# KiCad board glasgow_revD0.kicad_pcb (continued)
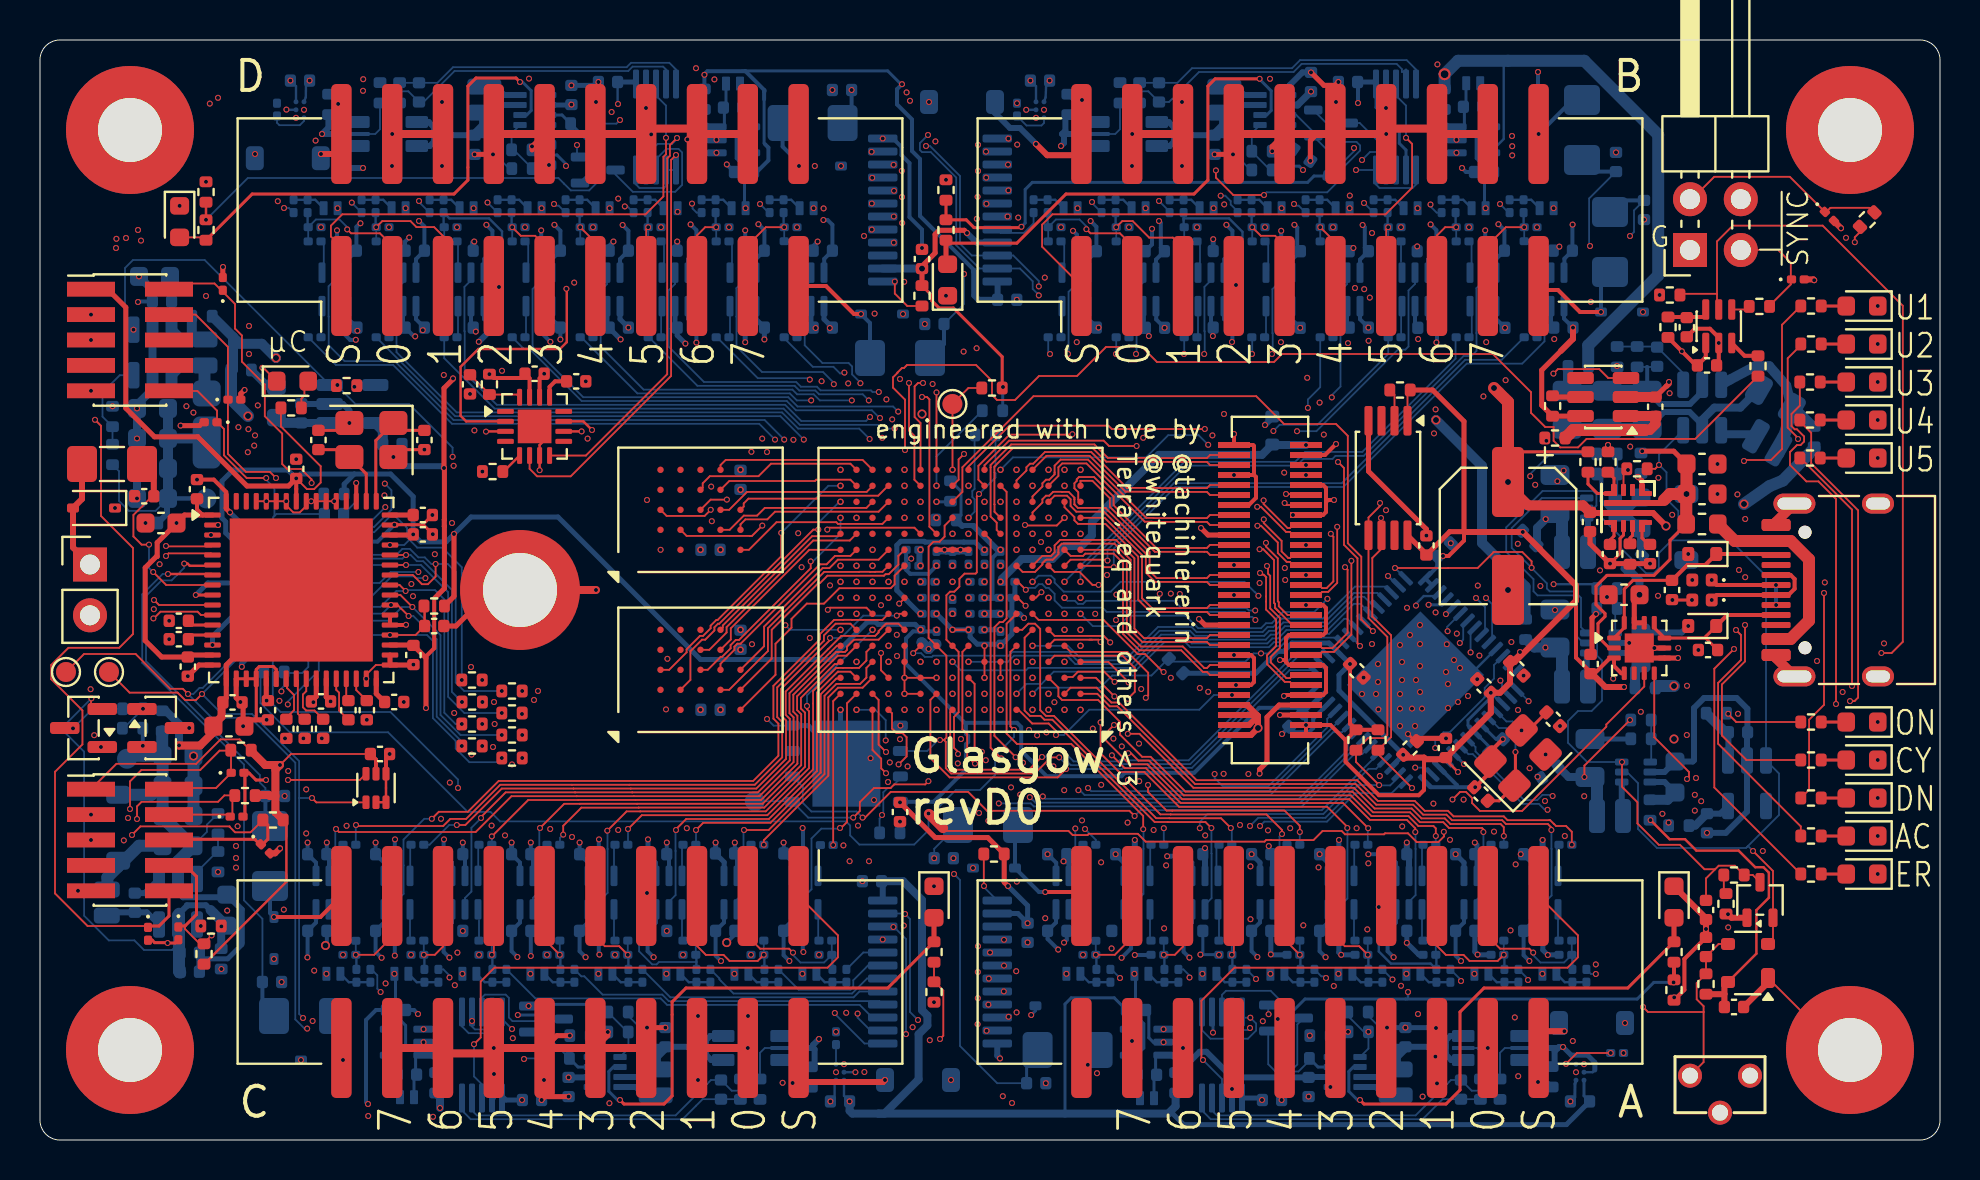
[diagram p0: board, top side]
## Routing (per net, layer and track width the routed paths; a pad name or vN(x,y) marks a point on that pad's centre or on a via; arc(x,y) is an arc through that point) (continued)
  Bottom w0.25: C128.2 61.54,10.45 v1(61.54,9.28) 61.56,9.26 D53.2 ; v1(32.27,39.82) 31.86,40.23 C205.1 31.75,40.73 U66.2 ; v1(27.92,52.9) 27.75,52.73 v1(26.57,52.73) ; C137.1 54.85,14.18 54.85,13.51 ; v1(9.5,31.38) 10.91,29.97 C27.1 11.07,29.49 U6.4 ; C138.2 v1(68.34,9.86) 68.94,9.26 D57.2 ; C132.2 71.74,9.41 v1(71.88,9.27) 71.89,9.26 72.61,9.26 ; 51.85,40.61 C150.1 51.75,40.73 U38.2 ; v1(40.03,21.51) 40.03,19.11 U9.9 38.42,20.72 U9.4 ; D52.2 v1(65.06,9.26) 64.94,9.38 C145.2 ; C143.1 64.94,14.99 v1(64.95,15) ; C219.1 38.55,40.73 U72.2 ; C62.2 C67.2 48.75,27.26 C78.2 ; C62.2 48.59,25.3 48.09,24.79 48.09,24.78 v1(48.03,24.71) 47.94,24.79 46.86,24.79 46.5,25.14 C117.2 v1(45.62,25.51) v1(44.82,26.31) ; C62.2 48.99,26.31 v1(49.2,26.1) ; C154.1 55.17,40.71 55.17,41.67 U41.2 ; U63.2 28.35,40.73 C201.1 28.46,40.6 v1(29.03,40.03) ; C127.2 75.14,9.5 v1(75.39,9.25) 75.4,9.26 D58.2 ; C97.2 79.53,20.05 ; U6.1 8.39,27.85 v1(7.79,27.25) ; 51.45,13.51 51.45,14.18 C144.1 ; 71.85,13.51 71.85,14.76 ; U6.28 8.62,25.18 v1(8.62,24.75) ; v1(69.8,5.6) 69.78,5.62 v1(68.27,5.62) v1(67.35,5.62) ; v1(10.09,23.66) 10.09,23.82 U6.24 U6.25 ; U68.2 35.15,40.73 C212.1 v1(35.26,39.89) ; C163.2 v1(58.66,45.04)
  Bottom w0.3: v1(48,4.08) 47.86,4.22 U24.12 ; 61.67,36.16 61.66,36.16 v1(61.25,35.75) ; C208.2 v1(31.86,44.92) ; C96.2 13.08,36.8 U19.2 15.15,36.8 15.47,36.47 v1(15.47,35.85) ; U40.5 62.48,52.74 63.12,53.38 v1(63.55,53.38) ; v1(21.71,44.92) 21.66,44.87 C213.2 ; U30.2 58.25,14.18 C130.1 ; v1(51.18,13.93) 51.45,13.93 ; v1(54.74,15) C137.1 ; U26.2 75.25,14.18 C125.1 75.13,14.3 v1(75.13,15) ; U27.2 61.65,14.18 C126.1 ; U17.2 85.35,16.42 84.29,15.36 v1(83.35,15.36) ; 85.37,20.3 85.37,21.56 84.83,22.1 83.2,22.1 82.7,21.6 82.7,18.99 82.64,18.93 C89.2 81.23,18.4 U18.2 ; 83.11,35.77 82.48,36.4 81.2,36.4 C93.2 ; v1(68.34,14.87) C136.1 68.45,14.18 U31.2 ; U13.2 79.52,31.6 C81.2 ; C143.1 65.05,14.18 U35.2 ; v1(82.41,25.7) 82.09,25.38 C82.2 79.53,24.85 v1(79.46,24.85) U14.2 ; 85.35,18.97 85.35,20.36
  Bottom w0.4: U15.2 83.11,36.01 83.72,36.62 85.02,36.62 85.94,37.54 ; 5.62,38.64 5.62,37.53 4.85,36.76 v1(4.85,36.58) v1(4.85,35.08) v1(4.85,32.08) ; U23.2 5.62,42 5.64,42.01 5.64,42.49 v1(4.95,43.18)
  Bottom w0.5: v1(44.43,24.55) 44.67,24.79 C65.2 ; v1(44.43,24.55) 44.41,24.55 C119.2 44.1,24.88 v1(44.43,24.55)
  Bottom w0.6: C110.1 v2(7.68,19.2) ; C108.1 4.95,14.71 4.2,13.96 D39.1 3.91,13.67 3.37,13.13 3.37,12.55 L6.2 ; C88.2 C93.2
  vias: v1(1.9,12.46) v1(2.53,22.54) v1(2.55,41.27) v1(2.55,40) v1(2.55,37.46) v1(2.55,16.27) v1(2.55,15) v1(2.71,20.24) v1(3.62,36.69) v1(3.75,31.6) v1(3.82,45.06) v1(4.19,14.98) v1(4.4,16.1) v1(5.05,44.97) v1(5.28,30.85) v1(5.69,26.54) v1(5.98,28.79) v1(6.46,25.96) v1(6.46,25.04) v1(6.98,46.71) v1(7.67,36.37) v1(8.3,47.91) v1(8.3,42.2) v1(8.49,51.82) v1(8.9,13.4) v1(9.36,11.47) v1(9.8,13.62) v1(9.92,35.64) v1(9.88,15.69) v1(10.45,40.7) v1(10.45,39.3) v1(10.75,49.3) v1(10.71,34.72) v1(10.89,36.73) v1(11.7,9.05) v1(11.89,46.94) v1(11.97,21.96) v1(12.08,7.9) v1(12.23,17.2) v1(12.19,11.52) v1(12.25,20.08) v1(12.41,18.45) v1(12.81,34.04) v1(13.05,4) v1(13.17,20.08) v1(13.31,17.53) v1(13.31,15.33) v1(13.63,5.95) v1(13.71,8.47) v1(13.78,49.97) v1(14.05,45.64) v1(14.09,20.08) v1(15.15,9.26) v1(15.33,15.71) v1(16.16,53.04) v1(16.31,23.06) v1(16.34,21.01) v1(16.41,1.2) v1(17.22,32.23) v1(17.28,7.83) v1(17.45,45.64) v1(17.6,48.7) v1(17.67,34.15) v1(18.19,21.9) v1(18.57,27.8) v1(18.55,9.26) v1(18.65,27.19) v1(18.67,23.77) v1(19.18,4.89) v1(19.74,29.29) v1(19.65,1.16) v1(20.1,51.9) v1(20.1,48.7) v1(20.05,16.06) v1(20.19,38.25) v1(20.49,17.87) v1(20.6,30.85) v1(20.68,33.71) v1(20.71,21.35) v1(20.74,7.74) v1(20.85,45.64) v1(20.87,9.37) v1(21.14,10.45) v1(21.5,37.3) v1(21.55,23.65) v1(21.58,19.27) v1(21.72,35.48) v1(21.95,9.26) v1(22.12,33.42) v1(22.58,15.72) v1(22.7,21.9) v1(22.73,20.8) v1(22.65,19.65) v1(23.1,38.46) v1(23.25,15.23) v1(23.6,18.78) v1(23.64,5.09) v1(24.25,45.64) v1(24.45,53.07) v1(24.6,49.68) v1(24.9,22.45) v1(25.2,3) v1(25.35,9.26) v1(25.45,48.75) v1(25.51,15.55) v1(26.6,15.15) v1(26.71,42.87) v1(27.29,37.93) v1(27.38,35.07) v1(27.65,45.64) v1(27.8,51.9) v1(28.47,1.84) v1(28.58,51.4) v1(28.75,9.26) v1(28.91,47.07) v1(28.91,15.5) v1(30.35,32) v1(31.03,29.51) v1(31.05,45.64) v1(31.3,21.53) v1(31.34,10.45) v1(31.37,24.06) v1(32.15,9.26) v1(32.34,15.59) v1(32.37,50.03) v1(32.8,53.59) v1(32.9,6.2) v1(32.9,3) v1(33.03,29.51) v1(33.03,21.51) v1(33.56,32.67) v1(33.59,30.94) v1(33.72,53.03) v1(33.82,50.01) v1(34.45,45.64) v1(35.03,33.51) v1(35.03,25.51) v1(35.4,6.2) v1(35.6,24.79) v1(35.55,9.26) v1(36.11,35.07) v1(37.13,2.86) v1(37.67,35.01) v1(37.85,45.64) v1(37.91,30.34) v1(38.08,28.64) v1(38.49,25.1) v1(38.74,48.7) v1(38.78,40.6) v1(38.95,9.26) v1(39.08,37.94) v1(39.18,46.58) v1(39.5,27.73) v1(39.62,52.5) v1(39.8,5.41) v1(40.03,33.51) v1(40.03,27.11) v1(40.05,48.7) v1(40.17,14.73) v1(40.31,6.36) v1(40.41,37.83) v1(40.48,13.94) v1(40.82,31.11) v1(40.82,23.91) v1(40.9,15.72) v1(41.12,12.94) v1(41.2,45.2) v1(41.22,3.4) v1(41.45,13.94) v1(41.53,19.09) v1(41.63,29.51) v1(41.73,41.32) v1(41.7,17) v1(42.11,35.11) v1(42.05,26.74) v1(42.14,10.03) v1(42.32,37.03) v1(42.4,17.9) v1(42.49,18.88) v1(42.61,36.03) v1(42.84,25.26) v1(42.85,24.2) v1(43,38.05) v1(43,20.04) v1(43.09,48.46) v1(43.1,47.15) v1(43.11,45.85) v1(43.21,42.91) v1(43.15,41.3) v1(43.22,33.51) v1(43.22,31.91) v1(43.22,31.11) v1(43.19,10.72) v1(43.33,52.38) v1(43.38,18.68) v1(43.63,5.64) v1(44.03,31.11) v1(44.03,21.51) v1(44.24,40.8) v1(44.45,51.9) v1(44.49,4.99) v1(44.63,37.8) v1(44.7,12.69) v1(44.7,6.89) v1(44.77,49.93) v1(44.82,27.91) v1(44.82,27.11) v1(44.82,21.51) v1(45.3,48.01) v1(45.3,42.21) v1(45.62,30.31) v1(45.62,28.71) v1(45.62,27.91) v1(45.62,27.11) v1(45.62,22.31) v1(45.55,3) v1(45.67,14.09) v1(45.89,18.83) v1(46.18,39.42) v1(46.43,32.71) v1(46.43,31.91) v1(46.43,28.71) v1(46.43,27.91) v1(46.43,27.11) v1(46.43,26.31) v1(46.43,22.31) v1(46.65,13.6) v1(46.84,46.06) v1(46.9,49.76) v1(46.9,48.45) v1(46.88,47.16) v1(46.95,16.35) v1(46.9,9.69) v1(46.89,8.4) v1(46.89,7.09) v1(46.88,5.79) v1(47.22,28.71) v1(47.22,22.31) v1(47.22,21.51) v1(47.29,18.99) v1(48.03,28.71) v1(48.03,22.31) v1(48.03,21.51) v1(48.14,2.19) v1(48.26,17.25) v1(48.85,51.84) v1(48.84,42.01) v1(48.82,33.51) v1(48.82,23.11) v1(48.84,12.92) v1(48.81,8.44) v1(48.83,6.38) v1(48.86,49.77) v1(48.91,46.12) v1(49.01,17.27) v1(49.15,18.86) v1(49.45,20.5) v1(49.38,9.88) v1(49.62,21.51) v1(50.05,29.9) v1(50.24,43.12) v1(50.32,20.38) v1(50.26,11.09) v1(50.29,2.84) v1(50.72,21.89) v1(50.67,18.68) v1(51.05,45.64) v1(51.22,23.91) v1(51.21,17.49) v1(51.84,39.89) v1(52.03,33.51) v1(52.03,27.11) v1(52.03,21.51) v1(52.1,15.98) v1(52.15,9.26) v1(52.64,20.57) v1(52.76,26.31) v1(52.85,3.34) v1(53.06,17.76) v1(53.06,13.88) v1(53.35,28.25) v1(53.58,9.58) v1(53.67,20.07) v1(54.09,19.68) v1(54.45,45.64) v1(54.38,15.87) v1(54.6,48.7) v1(54.6,4.95) v1(54.95,19.82) v1(54.96,17.94) v1(55.06,22.55) v1(55.16,35.11) v1(55.44,40.2) v1(55.68,15.5) v1(56.21,10.58) v1(56.31,13.73) v1(56.54,27.32) v1(56.54,23.11) v1(57.1,51.9) v1(57.1,48.7) v1(57.15,4.6) v1(57.85,45.64) v1(57.99,22.6) v1(58.26,15.23) v1(58.25,14.6) v1(58.64,40.2) v1(58.62,35.23) v1(59.21,46.78) v1(59.18,18.31) v1(59.6,2.55) v1(59.7,28.75) v1(59.7,27.25) v1(60,15.75) v1(60.42,18.3) v1(60.52,13.68) v1(60.52,11.04) v1(61.14,5.94) v1(61.25,45.64) v1(61.4,15.48) v1(61.44,14.7) v1(61.5,53.06) v1(61.61,49.44) v1(61.89,6.05) v1(62.05,39.89) v1(62.08,2) v1(62.21,33.37) v1(62.26,28) v1(62.51,15.59) v1(62.65,31.25) v1(63.16,10.73) v1(63.3,29.75) v1(63.3,28.25) v1(63.43,2.17) v1(63.49,5.22) v1(63.93,13.63) v1(63.98,36.87) v1(64.52,2.65) v1(64.65,45.64) v1(64.69,7.7) v1(64.8,51.9) v1(65.4,39.84) v1(65.4,5.41) v1(65.49,47.22) v1(65.83,15.59) v1(66.1,22.3) v1(66.18,23.12) v1(66.43,39.96) v1(66.42,13.83) v1(66.37,10.53) v1(66.49,42.12) v1(66.6,45.35) v1(66.6,24.8) v1(66.8,22.3) v1(66.9,23.8) v1(66.9,22.9) v1(66.92,21.53) v1(66.99,18.2) v1(67.3,31.49) v1(68,24.75) v1(68,22.3) v1(68,21.57) v1(68,20.7) v1(68.05,45.64) v1(68.1,23.9) v1(68.1,23) v1(68.11,15.68) v1(68.05,7.71) v1(68.35,26.61) v1(68.5,25.25) v1(68.6,21.57) v1(68.75,20.7) v1(68.8,23) v1(68.86,44.68) v1(68.91,40.05) v1(69,25.75) v1(69,24.8) v1(69,23.7) v1(69,22.4) v1(69.1,21.57) v1(69.13,2.17) v1(69.7,35.33) v1(69.67,16.82) v1(69.78,36.53) v1(69.78,26.38) v1(69.77,4.17) v1(69.85,2.83) v1(69.87,53.78) v1(70.34,24.79) v1(70.3,23.4) v1(70.4,22.8) v1(70.4,21.6) v1(70.54,29.84) v1(70.5,15.01) v1(70.7,24) v1(70.82,50.01) v1(70.84,25.32) v1(70.9,21.9) v1(71,23.6) v1(71.18,17.02) v1(71.45,45.64) v1(71.4,22.2) v1(71.74,14.87) v1(71.89,27.72) v1(71.86,23.04) v1(71.97,24.22) v1(72.17,37.18) v1(72.31,39.89) v1(72.39,4.6) v1(72.7,15.42) v1(73.28,37.99) v1(73.53,10.48) v1(73.61,49.69) v1(73.57,24.9) v1(73.74,6.13) v1(73.78,13.78) v1(73.89,29.81) v1(73.9,21.5) v1(73.91,3.19) v1(74.48,18.59) v1(74.85,45.64) v1(74.76,32.76) v1(75.02,27.7) v1(75.28,19.28) v1(75.25,16.95) v1(75.71,40.05) v1(75.87,32.94) v1(76,20.7) v1(76.18,33.47) v1(76.24,15.2) v1(76.64,4.95) v1(77.21,17.19) v1(77.54,41.91) v1(77.79,8.78) v1(78,28.48) v1(78.66,23.07) v1(78.8,49.38) v1(78.85,38.7) v1(79.18,4.35) v1(79.25,5.85) v1(79.51,34.67) v1(80.04,21.41) v1(80.2,46.02) v1(80.15,41.4) v1(80.92,33.11) v1(80.9,27.21) v1(80.98,42.25) v1(81.12,16.31) v1(81.48,37.34) v1(81.61,31.26) v1(81.91,24.6) v1(82.35,22.71) v1(82.34,20.25) v1(82.41,29.3) v1(82.62,28) v1(82.74,16.47) v1(82.8,18.1) v1(82.92,24.5) v1(83.88,33.8) v1(83.88,32.3) v1(84.41,10.63) v1(84.87,32.28) v1(84.9,21.31) v1(85.26,31.05) v1(85.26,28.14) v1(86.14,14.45) v1(88.85,23.95) v1(89.24,27.88) v1(90.13,22.4) v1(90.3,45.11) v1(91.89,41.7) v1(91.89,39.8) v1(91.89,37.9) v1(91.89,36) v1(91.89,34.1) v1(91.89,20.9) v1(91.89,19) v1(91.89,17.1) v1(91.89,15.2) v1(91.89,13.3) v1(92.2,24.83) v2(73.4,27.5)
VDDA: length 40.7
  Top w0.2: 22.49,38.31 22.7,38.1 24.04,38.1 C103.1 24.48,38.08 U21.15 ; 19.3,24.1 19.3,24.18 19.71,24.59 19.71,27.07 19.75,27.11
  Top w0.25: U7.21 11.31,21.99 ; v1(13.67,21.89) 13.67,22.03 13.81,22.17 U7.26 ; 19.75,27.11 20.22,27.58 20.22,30.69 20.22,30.69 20.22,31.01 20.22,31.01 20.22,33.58 v1(20.2,33.6) 20.2,37.59 20.65,38.04 v1(20.65,38.08) ; U7.35 18.65,24.75 ; v1(19.3,21.6) 19.3,24.1 C29.1
  In2.Cu w0.25: v1(11.33,21.97) 11.33,21.65 11.67,21.31 12.95,21.31 13.53,21.89 v1(13.67,21.89) 13.67,21.83 13.99,21.52 19.22,21.52 v1(19.3,21.6) ; v1(20.65,38.08) 20.87,38.3 22.46,38.3 v1(22.47,38.29)
  Bottom w0.3: C99.1 17.14,33.96 17.41,33.69 20.11,33.69 v1(20.2,33.6)
  Bottom w0.5: C99.1 17.14,35.47 U19.5
/A0: length 22.9
  Bottom w0.09: U2.37 66.03,26.81 65.69,26.81 64.38,25.5 62.32,25.5 61.9,25.08 61.62,25.08 61.37,24.83 57.59,24.83 57.34,25.08 56.13,25.08 54.66,23.61 49.42,23.61 49.3,23.49 46.05,23.49 v1(45.62,23.91)
/A1: length 22.6
  Bottom w0.09: U2.38 66.69,26.67 66.21,27.16 65.77,27.16 65.61,27 64.3,25.69 62.25,25.69 61.83,25.27 61.54,25.27 61.29,25.02 57.67,25.02 57.42,25.27 56.05,25.27 54.58,23.8 51.76,23.8 51.53,24.03 51.53,24.04 51.35,24.22 48.7,24.22 48.39,23.91 v1(46.43,23.91)
/ADC/A1_N: length 67.1
  Top w0.09: v1(8.55,30.25) U7.3
  In2.Cu w0.09: v1(45.7,13.3) 43.2,13.3 42.87,13.64 40.35,13.64 39.99,14 36.7,14 36.56,13.87 35.82,13.87 35.68,14 10.23,14 9.97,14.27 v1(9.8,14.1)
  In3.Cu w0.09: v1(8.55,30.25) 8.7,30.1 8.7,29.63 9.33,29 9.33,14.57 v1(9.8,14.1)
  Bottom w0.09: v1(45.7,13.3) 46,13 46,4.7 47.86,2.84 C52.1
  Bottom w0.15: C52.1 49.33,3.93
/ADC/A1_P: length 54.3
  Top w0.09: 8.58,30.8 8.85,30.8 v1(8.9,30.75)
  In2.Cu w0.09: 44.71,14.1 44.47,14.34 37.03,14.34 36.88,14.19 36.62,14.19 36.48,14.06 35.9,14.06 35.76,14.19 10.31,14.19 v1(9.8,14.7)
  In3.Cu w0.09: v1(8.9,30.75) 8.9,29.7 9.52,29.08 9.52,14.98 v1(9.8,14.7)
  Bottom w0.09: v1(44.71,14.09) 44.71,14.56 R30.1
/ADC/A1raw_N: length 3.4
  Bottom w0.15: R35.2 52.39,4.01 v1(52.39,3.76) ; D16.2 51.87,5.69 52.9,4.66
/ADC/A1raw_P: length 5.6
  Top w0.2: v1(50.26,12.4) 51.87,12.4
  Bottom w0.2: 48.75,15.6 D15.2 49.95,12.4 v1(50.26,12.4)
/ADC/A2_N: length 99.6
  Top w0.09: U7.5 8.54,29.33 6.43,29.33 v1(6.3,29.2)
  In2.Cu w0.09: v1(4.3,45.1) 5.01,44.39 40.72,44.39 41.01,44.1 46.07,44.1 46.07,44.11 76.91,44.11 v1(77.5,44.7)
  In3.Cu w0.09: v1(4.3,45.1) 4.3,44.34 3.99,44.03 4.1,43.92 4.1,30.24 4.28,30.06 4.28,29.72 4.8,29.2 v1(6.3,29.2)
  Bottom w0.09: v1(77.5,44.7) 77.46,44.75 77.46,47.08 C53.1
  Bottom w0.2: C53.1 77.68,48.42
/ADC/A2_P: length 99.2
  Top w0.09: v1(6.3,29.7) 6.32,29.68 8.56,29.68 U7.4
  In2.Cu w0.09: v1(79.5,45.2) 77.57,45.2 76.66,44.3 41.21,44.3 41.2,44.29 41.11,44.29 40.8,44.6 22.3,44.6 22.28,44.58 20.9,44.58 20.7,44.78 15.01,44.78 14.5,45.29 5.11,45.29 v1(4.9,45.5)
  In3.Cu w0.09: v1(4.9,45.5) 4.7,45.3 4.7,45 4.49,44.79 4.49,44.26 4.29,44.06 4.29,30.5 4.53,30.26 4.53,29.73 4.87,29.4 6,29.4 v1(6.3,29.7)
  Bottom w0.09: v1(79.5,45.2) 79.7,45.4 79.7,46.48 C48.1
  Bottom w0.2: C48.1 79.08,46.98
/ADC/A2raw_N: length 2.4
  Bottom w0.2: v1(74.93,50.3) 76.63,52
/ADC/A2raw_P: length 4.9
  Top w0.2: 75.13,42.5 75.9,42.5 77,41.4 v1(78.05,41.4)
  Bottom w0.2: v1(78.05,41.4) 78.05,42.95
/ADC/A3_N: length 26.9
  Top w0.12: U7.7 8.57,28.3 v1(6.4,28.3)
  Bottom w0.09: v1(6.4,28.3) 6.13,28.3 5.11,27.28 5.11,23.86 10.2,18.77 10.2,11.98 11.12,11.06 C54.1
  Bottom w0.2: C54.1 11.12,6.78
/ADC/A3_P: length 17.9
  Top w0.12: v1(7.21,28.82) 7.38,28.82 7.49,28.71 8.59,28.71 U7.6
  Bottom w0.09: 11.27,17.23 11.27,17.6 11,17.87 11,18.25 5.3,23.94 5.3,27.2 6.08,27.98 6.58,27.98 7.21,28.61 v1(7.21,28.82)
  Bottom w0.2: C49.1 11.27,15.93
/ADC/A3raw_N: length 2.4
  Bottom w0.2: v1(15.15,4) 15.15,4.15 14.7,4.6 R37.2
/ADC/A3raw_P: length 5.4
  Top w0.2: J9.19 14.02,11.15 v1(11.7,11.15)
  Bottom w0.2: R32.2 11.5,11.35 v1(11.7,11.15)
/ADC/A4_N: length 68.7
  Top w0.09: U7.11 8.04,26.25 7.88,26.42 6.03,26.42 5.69,26.08 v1(5.67,26.08)
  In2.Cu w0.09: v1(8.9,52.11) 13.06,52.11 13.06,52.11 15.73,52.11 16.41,51.42 28.02,51.42 29.07,52.47 34.42,52.47 34.9,52.95 40.13,52.95 v1(40.58,52.5)
  In3.Cu w0.09: v1(8.9,52.11) 8.9,47.31 7.59,46 4.2,46 3.1,44.9 3.1,33.87 3.33,33.64 3.33,33.38 3.2,33.25 3.2,30.6 3.9,29.9 3.9,28.1 5.33,26.67 5.33,26.42 v1(5.67,26.08)
  Bottom w0.2: v1(40.58,52.5) 40.58,51.3
/ADC/A4_P: length 70.2
  Top w0.09: U7.10 5.95,26.75 v1(5.7,27)
  In2.Cu w0.09: v1(46.2,43.3) 46.1,43.2 43.95,43.2 43.25,43.9 41.21,43.9 41.07,43.75 40.25,43.75 39.8,44.2 4.2,44.2 v1(3.8,44.6)
  In3.Cu w0.09: v1(3.8,44.6) 3.8,44.11 3.29,43.6 3.29,35.53 3.52,35.3 3.52,33.3 3.39,33.17 3.39,30.68 4.09,29.98 4.09,28.18 5.27,27 v1(5.7,27)
  Bottom w0.09: C50.1 46.2,41.8 v1(46.2,43.3)
  Bottom w0.2: R33.1 45.2,39.8 C50.1
/ADC/A4raw_N: length 2.5
  Bottom w0.2: v1(37.95,48.7) 37.95,48.85 37.13,49.67 R38.2
/ADC/A4raw_P: length 6.1
  Top w0.2: J10.19 39.3,42.7 40.7,41.3 v1(41.05,41.3)
  Bottom w0.2: v1(41.05,41.3) 41.5,40.85 R33.2
/ADC/ADC_~{RST}: length 17.4
  Top w0.09: C43.1 18.78,25.25 v1(17.5,25.25)
  Top w0.12: R29.2 19.23,26.67 C43.1
  Bottom w0.09: v1(23.09,19.1) 22.88,18.89 21.47,18.89 20.79,19.57 20.79,19.95 19.65,21.09 19.65,24.95 19.35,25.25 v1(17.5,25.25) 14.61,25.25 U6.19
/ADC/CAPN_ADC: length 1
  Top w0.09: U7.29 15.31,22.08
/ADC/CAPP_ADC: length 2.3
  Top w0.09: U7.28 14.81,22.51 14.96,22.36 14.96,21.47 C42.2
/ADC/CIPO: length 13.4
  Top w0.09: v1(18.3,29.25) U7.44
  Bottom w0.09: v1(21.1,21.9) 20.6,22.4 20.6,27.5 19.16,28.94 18.84,28.94 18.53,29.25 v1(18.3,29.25) 18.12,29.07 15.34,29.07 U6.12
/ADC/COPI: length 15.1
  Top w0.09: v1(18.3,28.75) U7.43
  Bottom w0.09: v1(23.09,21.35) 21.22,21.35 20.41,22.16 20.41,27.39 19.05,28.75 v1(18.3,28.75) 15.73,28.75 U6.13
/ADC/DRDY: length 16.2
  Bottom w0.09: 18.47,30.01 18.35,30.13 18.35,30.59 17.78,31.17 17.49,31.17 16.71,30.39 13.83,30.39 U6.8 ; 18.47,30.01 18.86,29.62 20.11,29.62 21.09,28.64 v1(21.09,23) ; 18.47,30.01 18.21,29.75 v1(17.5,29.75)
/ADC/INTB: length 11.6
  Top w0.09: v1(17.55,26.75) 17.88,26.75 v1(18.43,26.2)
  Bottom w0.09: v1(17.55,26.75) 17.12,26.32 14.95,26.32 ; v1(18.43,26.2) 18.67,26.2 19.84,25.03 19.84,21.17 21.09,19.92 v1(21.09,19.7)
/ADC/MCU_LED: length 16.4
  Top w0.09: D14.1 11.16,38.61 v1(11.12,38.61)
  In3.Cu w0.09: v1(11.12,38.61) 11.45,38.61 v1(17.24,32.82)
  Bottom w0.09: U6.7 13.39,30.66 16.71,30.66 17.57,31.52 17.57,32.49 v1(17.24,32.82)
/ADC/REF_BYP: length 2.3
  Top w0.09: 12.35,23.03 12.35,22.6 12.7,22.25 12.7,21.49 12.25,21.04
/ADC/REF_INT: length 2.8
  Top w0.09: C39.2 13.72,21.47 13.31,21.47 13.15,21.64 13.15,22.28 13.31,22.44 U7.25
/ADC/REF_NR: length 2.2
  Top w0.09: 13.17,21.04 12.89,21.32 12.89,22.98 U7.24
/ADC/REFH: length 1.3
  Top w0.15: C41.1 7.63,25.25 U7.13
/ADC/REFL: length 1.3
  Top w0.15: C40.1 7.63,25.75 U7.12
/ADC/REFP_ADC: length 1.3
  Top w0.09: C46.2 15.81,22.5 U7.30
/ADC/REMOTE_COM: length 5.6
  Top w0.3: R34.2 2.1,32.05 D23.2 1.65,29.62 J3.1
/ADC/SCLK: length 18.4
  Top w0.09: v1(19.78,28.8) 19.78,28.17 19.4,27.79 19.1,27.79 18.64,28.25 U7.42
  Bottom w0.09: v1(23.09,22.45) 21.21,22.45 20.79,22.87 20.79,28.4 20.39,28.8 v1(19.78,28.8) 19.57,28.8 19.24,29.13 18.92,29.13 18.5,29.56 18.12,29.56 17.82,29.26 14.82,29.26 U6.11
/ADC/SWCLK: length 26.4
  Top w0.09: v1(11.8,33.1) 11.5,33.41 10.3,33.41 9.4,34.31 9.4,39.66 7.78,41.27 J2.4
  In3.Cu w0.09: v1(11.8,33.1) 11.81,33.09 11.81,22.69 v1(12.07,22.43)
  Bottom w0.09: U6.21 13.41,23.65 13.11,23.35 12.26,23.35 R27.2 12.21,22.71 12.07,22.57 v1(12.07,22.43)
/ADC/SWDIO: length 30
  Top w0.09: v1(13.58,32.85) 13.58,33.03 13.06,33.55 12.36,33.55 12.11,33.8 12.11,35.32 11.24,36.19 11.24,37.77 10.1,38.92 10.1,40.22 9.75,40.57 9.75,41.8 8.73,42.83 6.74,42.83
  In3.Cu w0.09: v1(12.39,21.78) 12.39,21.92 13.08,22.61 13.08,32.35 v1(13.58,32.85)
  Bottom w0.09: v1(12.39,21.78) 12.39,21.92 13.94,23.47 13.94,25.21
/ADC/SYNC: length 15.1
  Top w0.09: U7.40 18.02,27.25 v1(18.62,26.65)
  Bottom w0.09: 14.6,25.97 17.42,25.97 18.1,26.65 v1(18.62,26.65) 20.03,25.24 20.03,21.25 21.03,20.25 v1(23.09,20.25)
/ADC/~{CS}: length 13.1
  Top w0.09: U7.41 17.98,27.75 v1(18.28,27.45)
  Bottom w0.09: 15.32,26.66 17.03,26.66 17.82,27.45 v1(18.28,27.45) 18.32,27.5 19.75,27.5 20.22,27.03 20.22,21.36 20.78,20.8 v1(21.09,20.8)
/BOOT0: length 50.6
  Top w0.09: v1(48.7,20.5) 48.52,20.68 48.52,24.41 48.82,24.71
  Bottom w0.09: v1(48.7,20.5) 48.7,20.15 47.75,19.21 47.75,18.25 47,17.5 45.79,17.5 44.62,16.33 v1(44.43,16.33) 44.43,15.49 43.71,14.77 40.97,14.77 40.51,15.23 40.51,15.72 40.3,15.93 23,15.93 22.53,16.41 21.38,16.41 17.41,20.39 12.48,20.39 11.03,21.84 11.03,23.23 R27.1
/CIPO: length 29
  In2.Cu w0.09: v1(22.12,21.9) 22.12,22.22 22.65,22.75 25.03,22.75 25.17,22.61 50.12,22.61 v1(50.43,22.31)
/CLKIF: length 30.4
  Top w0.09: U8.E8 46.12,24.41 46.12,20.53 46.36,20.29 46.36,19.18 46.72,18.82 v1(46.75,18.82)
  In2.Cu w0.09: v1(68.76,18.62) 68.1,18.62 67.33,19.39 65.59,19.39 64.97,18.77 61.44,18.77 61.36,18.84 53.43,18.84 52.94,18.36 51.54,18.36 51.43,18.25 50.24,18.25 49.94,18.54 47.03,18.54 v1(46.75,18.82)
  Bottom w0.09: v1(68.76,18.62) 69.27,18.62 U2.13
/CLKREF: length 34
  Top w0.09: U8.C8 46.73,22.81 46.73,19.6 46.92,19.41 v1(47.09,19.41)
  In2.Cu w0.09: v1(47.09,19.41) 48.21,19.41 48.35,19.55 53.76,19.55 54.28,19.03 61.44,19.03 61.51,18.96 64.65,18.96 65.27,19.58 67.41,19.58 68.06,18.93 68.77,18.93 69.44,19.6 v1(69.76,19.6)
  Bottom w0.09: v1(69.76,19.6) 69.76,19.97 70.17,20.39 70.49,20.39 72.23,22.13 72.23,22.61 72.7,23.07 72.7,23.75 U2.54
/COPI: length 26.9
  In2.Cu w0.09: v1(24.1,21.3) 24.66,20.73 39.87,20.73 40.22,21.09 50.01,21.09 v1(50.43,21.51)
/D0: length 60.4
  Top w0.09: v1(58.24,35.55) 58.24,35.55 53.59,35.55 53.42,35.72 48.47,35.72 46.43,33.67 U8.T8
  In2.Cu w0.09: v1(43.02,20.72) 43.1,20.81 51.75,20.81 52.33,21.38 52.33,21.46 52.61,21.74 57.74,21.74 v1(58.41,22.41)
  In3.Cu w0.09: v1(58.24,35.55) 58.01,35.32 58.01,31.54 58.51,31.04 58.51,22.51 v1(58.41,22.41) 58.51,22.31 58.51,18.57 57.99,18.05 v1(57.99,15.59)
  Bottom w0.09: v1(57.99,15.59) 57.99,15.91 58.38,16.3 64.17,16.3 66.43,18.56 66.8,18.56 U2.18
/D1: length 60.8
  Top w0.09: v1(41.13,16.12) 41.25,16.12 42.54,17.41 46.41,17.41 47.35,16.46 54.47,16.46 v1(54.73,16.2) ; v1(54.83,34.7) 53.45,34.7 53.18,34.97 48.46,34.97 47.22,33.74 U8.T7
  In3.Cu w0.09: v1(54.83,34.7) 55.69,33.84 55.69,23.46 55.95,23.2 55.95,17.42 v1(54.73,16.2)
  Bottom w0.09: v1(41.13,16.12) 40.82,16.42 38.57,16.42 38.14,16.86 38.14,17.66 U9.2 ; v1(54.73,16.2) 55.02,16.49 64.09,16.49 66.87,19.27
/D2: length 33.9
  Top w0.09: U8.M7 47.53,30 47.53,19.61 v1(48.06,19.08)
  In3.Cu w0.09: v1(48.06,19.08) 47.77,18.79 47.77,17 v1(47.94,16.83)
  Bottom w0.09: v1(47.94,16.83) 49.54,16.83 49.69,16.68 63.1,16.68 65.71,19.29 66.11,19.29 66.51,19.69
/D3: length 33
  In3.Cu w0.09: v1(47.22,31.11) 47.53,30.81 47.53,20.93 49.49,18.97 v1(49.49,17.14)
  Bottom w0.09: 66.16,20.01 63.02,16.87 49.77,16.87 49.62,17.02 49.61,17.02 v1(49.49,17.14)
/D4: length 33.3
  In3.Cu w0.09: v1(50.14,17.18) 50.14,18.59 47.72,21.01 47.72,31.06 47.22,31.56 v1(47.22,31.91)
  Bottom w0.09: U2.22 65.78,20.39 65.38,19.99 65.38,19.5 62.94,17.06 50.26,17.06 v1(50.14,17.18)
/D5: length 40.5
  Top w0.09: U8.R7 46.92,33.02 46.92,33.71 48.48,35.27 51.6,35.27 v1(51.62,35.29)
  In3.Cu w0.09: v1(51.92,17.49) 51.92,17.55 52.29,17.92 52.29,19.9 51.72,20.47 51.72,24.84 52.02,25.14 52.09,25.14 52.33,25.38 52.33,26.48 52.14,26.67 51.9,26.67 51.62,26.95 v1(51.62,35.29)
  Bottom w0.09: v1(51.92,17.49) 51.99,17.49 52.23,17.25 61.52,17.25 64.66,20.39 65.1,20.39 U2.23
/D6: length 34.5
  Top w0.09: v1(48.78,19.14) 48.78,19.15 47.72,20.21 47.72,25.64 47.98,25.89 48.14,25.89 48.33,26.08 48.33,32.41 U8.R6
  In2.Cu w0.09: v1(48.55,17.63) 48.56,17.62 50.47,17.62 50.72,17.86 52.13,17.86 v1(52.4,17.6)
  In3.Cu w0.09: v1(48.55,17.63) 48.53,17.65 48.53,18.89 v1(48.78,19.14)
  Bottom w0.09: 65.1,21.1 61.44,17.44 52.56,17.44 v1(52.4,17.6)
/D7: length 36.1
  In3.Cu w0.09: v1(58.41,34.76) 58.73,34.44 v1(58.73,18.3)
  Bottom w0.09: 64.75,21.45 64.36,21.06 64.36,20.63 61.43,17.69 59.13,17.69 58.73,18.09 v1(58.73,18.3) ; v1(58.41,34.76) 57.93,35.24 56.41,35.24 55.3,34.13 48.65,34.13 v1(48.03,33.51)
/DRDY: length 30
  In2.Cu w0.09: v1(22.11,23) 25.05,23 25.25,22.81 50.36,22.81 51.22,21.94 v1(51.22,21.51)
/ENVA: length 45.2
  Top w0.12: R10.1 81.7,7.9
  Top w0.2: v1(81.68,7.88) 81.7,7.9 R84.1
  In3.Cu w0.12: v1(68.4,7.4) 69.09,8.08 69.09,19.69 69.5,20.1 69.5,25.7 68.8,26.4 v1(68.8,26.72)
  Bottom w0.12: U2.45 69.79,27.2 69.19,27.2 68.8,26.81 v1(68.8,26.72) ; 68.27,7.05 68.38,7.05 68.4,7.07 v1(68.4,7.4)
  Bottom w0.15: R85.1 62.45,6.25 63.25,7.05 79.86,7.05 80.69,7.88 v1(81.68,7.88)
/ENVB: length 57.4
  Top w0.15: v1(49.07,45.66) 49.03,45.62 46.7,45.62 46.31,46.01 R126.1 R11.1
  In2.Cu w0.09: v1(65.7,49.6) 65.76,49.66 73.18,49.66 v1(73.61,49.23)
  In3.Cu w0.09: v1(73.61,49.23) 73.7,49.14 73.7,34.19 72.81,33.3 72.81,28.11 v1(71.8,27.1)
  Bottom w0.09: v1(65.7,49.6) 65.7,49.44 R127.1 ; U2.51 72.25,25.42 72.25,26.65 v1(71.8,27.1)
  Bottom w0.15: R127.1 63.7,48.2 63.38,47.88 49.61,47.88 49.26,47.53 49.26,45.85 v1(49.07,45.66)
/ENVC: length 74.1
  Top w0.09: 44.69,7.95 45.16,7.47 45.16,5.22 v1(45,5.05) ; R12.1 44.7,8.9 44.72,8.92
  In2.Cu w0.09: 50.9,5.9 50.29,5.9 49.11,4.72 45.33,4.72 v1(45,5.05) 44.98,5.05 44.54,4.61 35.81,4.61 35.52,4.91 25.06,4.91 v1(24.2,4.05)
  In2.Cu w0.12: v1(68.9,6.3) 62.73,6.3 61.62,5.19 59.6,5.19 58.9,5.9 50.9,5.9
  In3.Cu w0.12: v1(68.9,6.3) 68.9,6.9 69.31,7.31 69.31,19.6 69.75,20.04 69.75,25.76 69.43,26.08 v1(69.43,26.76)
  Bottom w0.09: R169.1 24.23,4.08 v1(24.2,4.05)
  Bottom w0.15: U2.46 70.32,27.02 70.06,26.76 v1(69.43,26.76)
